# Altium PCB UV_Disinfection_Hw00.PcbDoc (continued)
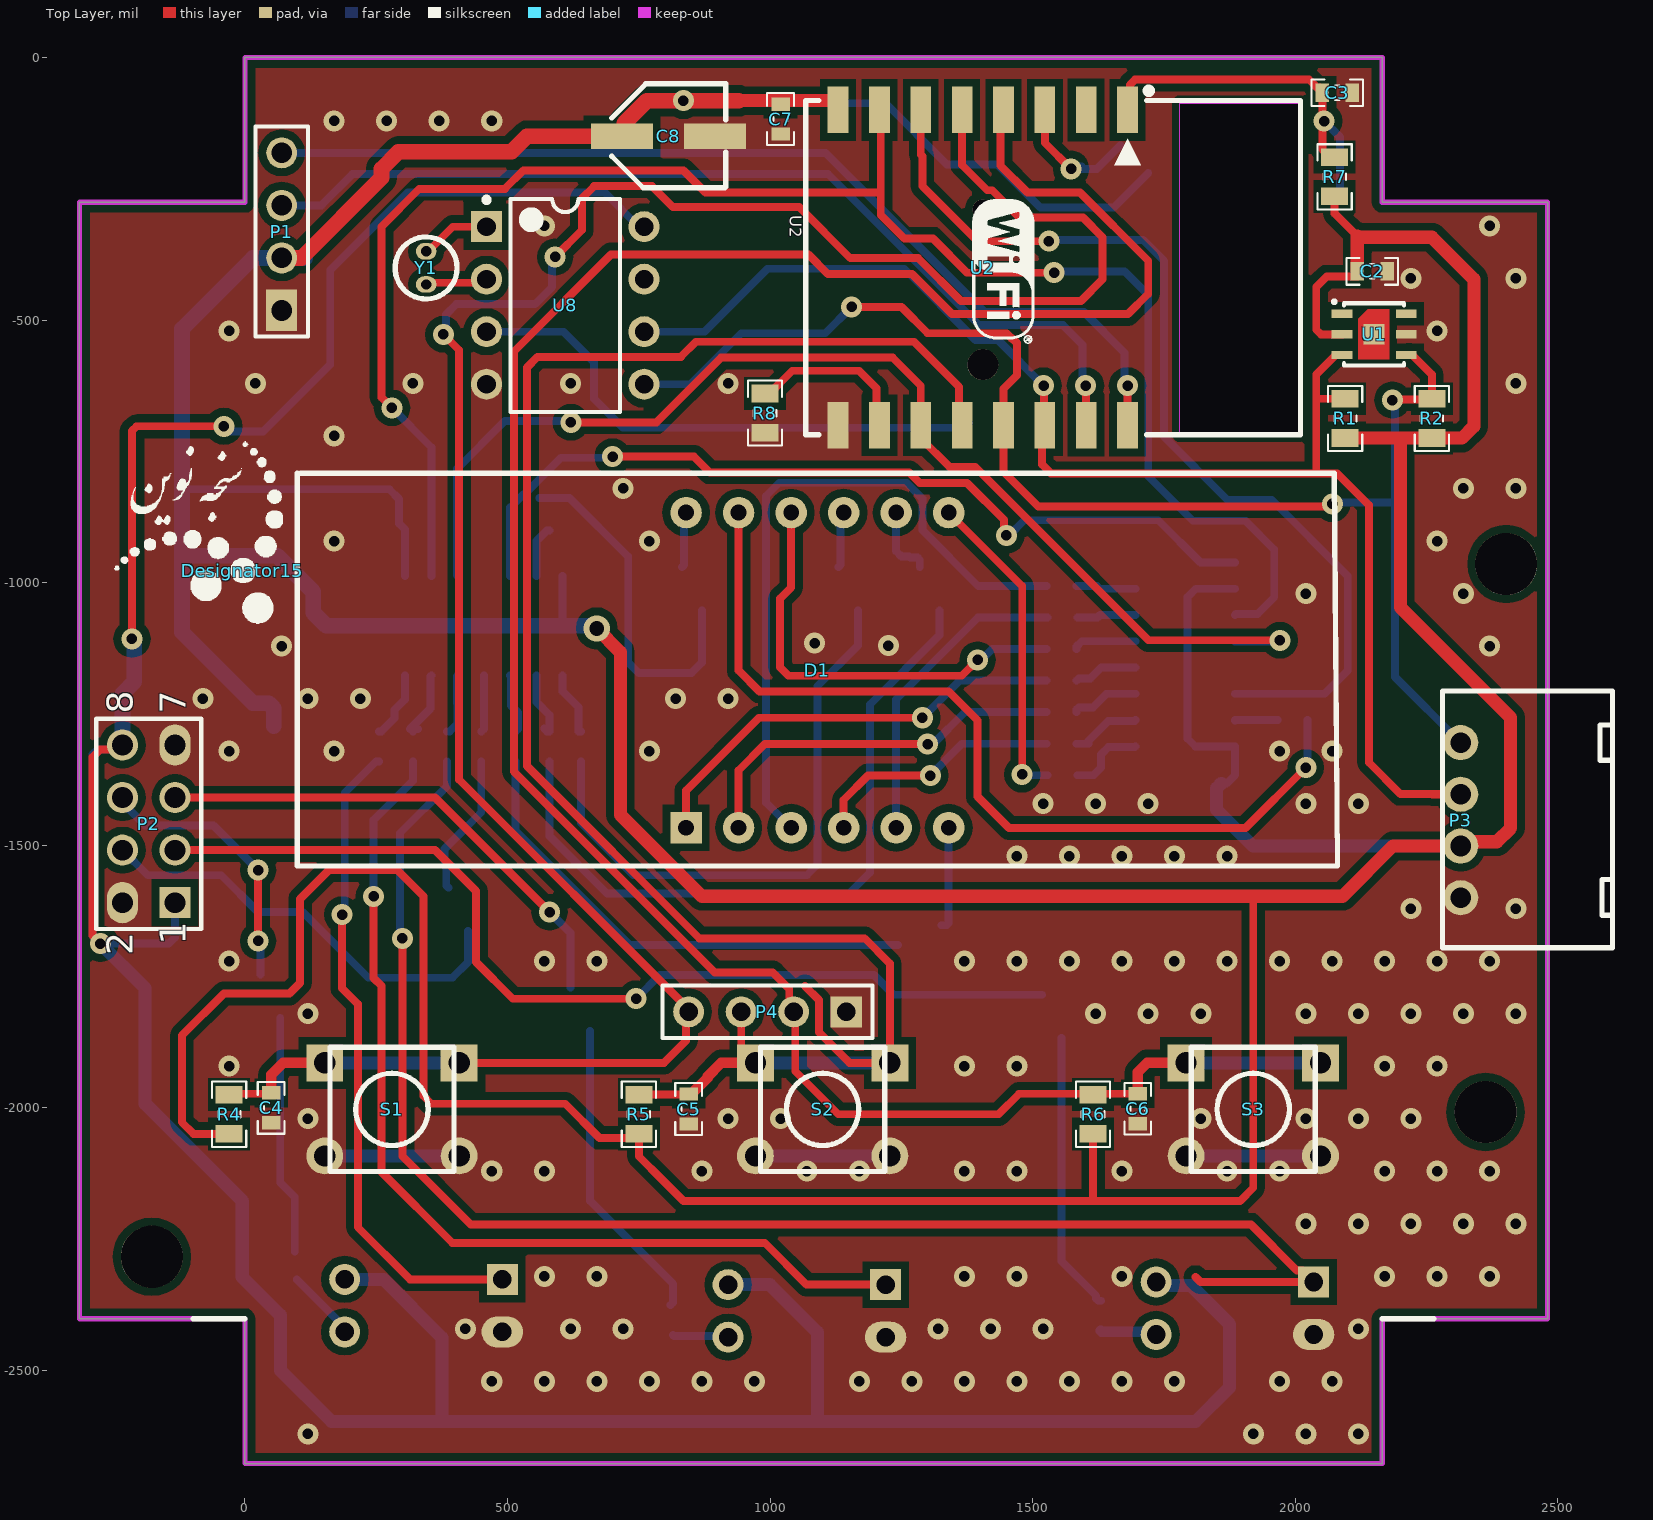
[diagram p0: Top Layer view]
## Footprints (in the part's own frame and the unit in brackets; to place one, negate y for a bottom-side part, rotate by r counter-clockwise, add the part's x,y. Pads: shape width x height; smd on the part's side, far side on the other; paste and mask are expansions set on the pad)
7SEG-4DIGIT-50X19 [mil]
  rect 60x60 hole 30: 1(-250,-300)
  round 60 hole 30: 2(-150,-300) 3(-50,-300) 4(50,-300) 5(150,-300) 6(250,-300) 7(250,300) 8(150,300) 9(50,300) 10(-50,300) 11(-150,300) 12(-250,300)
  silkscreen extent -990,-373 990,375, body extent -991,-379 989,369, height 317
751B-05_N [mm] "SOIC, 16-Leads, Body 9.9x3.9mm, Pitch 1.27mm, IPC Medium Density"
  oval 2.2x0.6 smd: 1(-2.4,4.445) 2(-2.4,3.175) 3(-2.4,1.905) 4(-2.4,0.635) 5(-2.4,-0.635) 6(-2.4,-1.905) 7(-2.4,-3.175) 8(-2.4,-4.445) 9(2.4,-4.445) 10(2.4,-3.175) 11(2.4,-1.905) 12(2.4,-0.635) 13(2.4,0.635) 14(2.4,1.905) 15(2.4,3.175) 16(2.4,4.445)
  silkscreen extent -2.52,-5 0.9,5.42, body extent -2,-5 2,5, height 1.75
BTH1220_smd [mm] "COIN CELL BATTERY HOLDER 1220 12mm CR2032"
  round 1.5 hole 1.5 unplated: 0(-3.683,0)
  round 1 hole 1 unplated: 0(3.81,0)
  rect 4.5x3 smd: 1(-7.3,0)
  rect 3x3 smd: 2(9.2,0)
  silkscreen extent -7.59,-7.5 8.54,7.5, body extent -9,-7.37 10.2,7.37, height 4.35
CAP0603 [mm] "Chip Capacitor, 2-Leads, Body 1/60x0/80mm, IPC Medium Density DESIGNER:ABBAS BASEREH"
  rect 0.65x0.9 smd: 1(-0.725,0) 2(0.725,0)
  silkscreen extent -1.25,-0.65 1.25,0.65, body extent -0.82,-0.43 0.83,0.43, height 0.4
CAP_EL_SMD_4x5.3 [mm]
  rect 3x1.25 smd: 1(-2.25,0) 2(2.25,0)
  silkscreen extent -2.74,-2.49 2.77,2.54, body extent -2.96,-2.62 3.04,2.68, height 6.42
Crystal_NC308 [mm]
  oval 0.8x1 hole 0.5: 1(0.8,0) 2(-0.8,0)
  silkscreen extent -1.5,-1.5 1.5,1.5, body extent -1.6,-1.6 1.6,1.6, height 8.2
DIP-8 [mm] "DIP; 8 Leads; Row Spacing 7.62 mm; Pitch 2.54 mm"
  rect 1.5x1.5 hole 0.9: 1(-3.81,3.81)
  round 1.5 hole 0.9: 2(-3.81,1.27) 3(-3.81,-1.27) 4(-3.81,-3.81) 5(3.81,-3.81) 6(3.81,-1.27) 7(3.81,1.27) 8(3.81,3.81)
  silkscreen extent -3.93,-5.15 2.65,5.23, body extent -3.6,-5.15 3.6,5.15, height 5.08
DIP_4 [mm]
  rect 1.5x1.5 hole 0.9: 1(0,0)
  oval 2x1.5 hole 0.9: 2(0,-2.54)
  round 1.5 hole 0.9: 3(7.62,-2.54) 4(7.62,0)
  silkscreen extent -0.13,-3.82 6.46,1.42, body extent -0.16,-4.09 7.84,1.45, height 4.31
"ESP8266 ESP_12" [mm] "ESP8266 ESP-12"
  rect 2.25x1 smd: 1(-7.625,7) 2(-7.625,5) 3(-7.625,3) 4(-7.625,1) 5(-7.625,-1) 6(-7.625,-3) 7(-7.625,-5) 8(-7.625,-7) 9(7.625,-7) 10(7.625,-5) 11(7.625,-3) 12(7.625,-1) 13(7.625,1) 14(7.625,3) 15(7.625,5) 16(7.625,7)
  silkscreen extent -8.7,-8.57 8.08,15.37, body extent -7.86,-8.52 8.16,15.51, height 3.82
HDR1X4#1 [mm] "Connector; Header; 4 Position"
  rect 2x1.5 hole 1: 1(0,0)
  round 1.5 hole 1: 2(2.54,0) 3(5.08,0) 4(7.62,0)
  silkscreen extent -1.27,-1.27 8.89,1.27
HDR1X4#2 [mm] "Connector; Header; 4 Position"
  rect 1.5x1.5 hole 0.9: 1(0,0)
  round 1.5 hole 0.9: 2(2.54,0) 3(5.08,0) 4(7.62,0)
  silkscreen extent -1.27,-1.27 8.89,1.27
HDR2X4 [mm] "Connector; Header; 4x2 Position"
  rect 1.5x1.5 hole 1: 1(0,0)
  oval 2x1.5 hole 1: 2(0,2.54) 7(7.62,0)
  round 1.5 hole 1: 3(2.54,0) 4(2.54,2.54) 5(5.08,0) 6(5.08,2.54) 8(7.62,2.54)
  silkscreen extent -1.27,-1.27 8.89,3.81
LOGO_PARS_TOP [mil]
  silkscreen extent -244,-100 77,246
RES0603 [mm] "Chip Resistor, 2-Leads, Body 1/60x0/80mm, IPC Medium Density DESIGNER:ABBAS BASEREH"
  rect 0.6x0.85 smd: 1(-0.725,0) 2(0.725,0)
  silkscreen extent -1.22,-0.63 1.22,0.63, body extent -0.82,-0.43 0.82,0.43, height 0.4
RES0805 [mm] "Chip Resistor, 2-Leads, Body 2/00x1/25mm, IPC Medium Density DESIGNER:ABBAS BASEREH"
  rect 0.85x1.3 smd: 1(-0.95,0) 2(0.95,0)
  silkscreen extent -1.58,-0.82 1.58,0.82, body extent -1.02,-0.65 1.02,0.65, height 0.5
SHT20 [mm]
  rect 0.4x1 smd: 1(1,1.55) 2(0,1.55) 3(-1,1.55) 4(-1,-1.55) 5(0,-1.55) 6(1,-1.55)
  rect 1x1 smd: 7(0,0)
  Top Layer region: 1.194,0.737 1.194,-0.762 -0.762,-0.762 -1.219,-0.305 -1.219,0.737
  silkscreen extent -1.61,-1.97 1.5,1.45, body extent -1.5,-1.47 1.5,1.55, height 1.2
SOT23_N [mm] "SOT23, 3-Leads, Body 2.9x1.3mm, Pitch 0.95mm, Lead Span 2.3mm, IPC Medium Density"
  rect 1.3x0.6 smd: 1(-1.05,0.95) 2(-1.05,-0.95) 3(1.05,0)
  silkscreen extent -1.17,-1.5 0.7,1.92, body extent -0.7,-1.5 0.7,1.5, height 1.1
SOT223_4 [mm] "SOT223, 4-Leads, Body 6.5x3.5mm, Pitch 2.30mm-Designer Abbas Basereh"
  oval 2.2x1 smd: 1(-3.2,2.3) 2(-3.2,0) 3(-3.2,-2.3)
  rect 2.2x3.2 smd: 4(3,0)
  Top Layer pour cut-out: -1.7,3.556 1.7,3.556 1.7,-3.556 -1.7,-3.556
  silkscreen extent -3.02,-3.4 1.9,3.48, body extent -3.5,-3.25 3.5,3.25, height 1.7
SW-2PIN-SMD [mm]
  rect 2.2x1.6 smd: 1(-4.609,0)
  rect 2.18x1.6 smd: 2(4.581,0)
  silkscreen extent -6.38,-1.75 2.99,1.75, body extent -4.01,-1.8 3.99,1.8, height 2.55
SW-4PIN [mm]
  rect 1.784x1.784 hole 1.03: 1(-3.25,-2.25) 1(3.25,-2.25)
  round 1.784 hole 1.03: 2(-3.25,2.25) 2(3.25,2.25)
  silkscreen extent -3,-3 3,3, body extent -3.85,-3 3.8,3, height 9.65
XH-4PIN-RA [mm]
  round 1.7 hole 1: 1(-3.75,0) 2(-1.25,0) 3(1.25,0) 4(3.75,0)
  silkscreen extent -6.17,-7.34 6.25,0.89, body extent -6.23,-7.34 6.17,0.28, height 5.75

## Part data
BT1: library part "Battry Backup", "Battry Backup", Data=16-12-2016, Designer="Abbas Basereh"
C1 C8: library part Cap2, "Capacitor", PackageDescription="Capacitor; 2 Leads", PackageReference=CAPR5-4X5, Published=23-Sep-2002, Publisher="Altium Limited"
C2 C3 C4 C5 C6 C7 C9 C10: library part Cap, "Capacitor", LatestRevisionDate=17-Jul-2002, LatestRevisionNote="Re-released for DXP Platform.", PackageDescription="Radial Cap, Thru-Hole; 2 Leads; 0.3 in Pin Spacing", PackageReference=RAD-0.3, Published=8-Jun-2000, Publisher="Altium Limited"
D1: library part 7SEG-4DIGIT-12PIN, "CC-4digit-7Seg-12PIN"
P1 P3: "Header, 4-Pin", LatestRevisionDate=17-Jul-2002, LatestRevisionNote="Re-released for DXP Platform.", Publisher="Altium Limited"
P2: "Header, 4-Pin, Dual row", LatestRevisionDate=17-Jul-2002, LatestRevisionNote="Re-released for DXP Platform.", Publisher="Altium Limited"
P4: library part "Header 4", "Header, 4-Pin", LatestRevisionDate=17-Jul-2002, LatestRevisionNote="Re-released for DXP Platform.", Publisher="Altium Limited"
Q1 Q2 Q3 Q4 Q5 Q6 Q7 Q8: "NPN Switching Transistor", ComponentLink1Description="Manufacturer Link", ComponentLink1URL=http://www.semiconductors.philips.com/, ComponentLink2Description=Datasheet, ComponentLink2URL=http://www.semiconductors.philips.com/acrobat/datasheets/MMBT3904_4.pdf, DatasheetVersion=13-May-2002, LatestRevisionDate=12-Dec-2006, LatestRevisionNote="IPC-7351 Footprint Added.", PackageDescription="3-Pin SOT-23 Package 0.95 mm Pitch, 2.3 mm Lead Span", PackageReference=SOT23, PackageVersion=May-1999, Published=17-Sep-2003, Publisher="Altium Limited"
R1 R2 R3 R4 R5 R6 R7 R8 R9 R10 R11 R12 R13 R14 R15 R16 R17 R18 R19 R20 R21 R22 R23 R24 R25 R26 R27: library part Res1, "Resistor", LatestRevisionDate=17-Jul-2002, LatestRevisionNote="Re-released for DXP Platform.", PackageDescription="Axial Device, Thru-Hole; 2 Leads; 0.3 in Pin Spacing", PackageReference=AXIAL-0.3, Published=8-Jun-2000, Publisher="Altium Limited"
S1 S2 S3 S4: "Switch", LatestRevisionDate=17-Jul-2002, LatestRevisionNote="Re-released for DXP Platform.", PackageDescription="Switch; 2 Leads", PackageReference=SPST-2, Published=24-Mar-1999, Publisher="Altium Limited"
U1: "Humidty Sensor I2C"
U2: "ESP8266 ESP-12", IC=ESP8266-EX, LatestReviewer="Zion Blue", LatestRevisionData=14-Apr-2015, LatestRevisionNote="Include 3D body and Footprint", Published=14-Apr-2015, Publisher="Cynetik Group", Vendor=Ai-thinker
U3 U4: "8-Bit 3-State Shift Register with Output Storage Register", Code_IPC=SOIC127P600-16, Code_JEDEC=MS-012-AC, ComponentAvailability="Not for New Design", ComponentLink1Description="Manufacturer Link", ComponentLink1URL=http://www.onsemi.com/, ComponentLink2Description=Datasheet, ComponentLink2URL=http://www.onsemi.com/pub/Collateral/MC74VHC595-D.PDF, DatasheetVersion=1997, LatestRevisionDate=13-Apr-2006, LatestRevisionNote="IPC-7351 Footprint Added.", PackageDescription="16-Pin Small Outline Integrated Circuit 1.27 mm Pitch", PackageReference=751B-05, PackageVersion=Oct-1999, Published=15-Apr-2002, Publisher="Altium Limited"
U5 U6 U7: "4-Pin Phototransistor Optocoupler", DatasheetVersion=Nov-2003, LatestRevisionDate=04-Mar-2005, LatestRevisionNote="Sch pins 3 & 4 Swapped.", PackageReference=DIP-4, Published=24-Mar-1999, Publisher="Altium Limited"
U8: "64 X 8 Serial Real-Time Clock", ComponentLink1Description="Manufacturer Link", ComponentLink1URL=http://www.maxim-ic.com/, ComponentLink2Description=Datasheet, ComponentLink2URL=http://pdfserv.maxim-ic.com/en/ds/DS1307.pdf, ComponentLink3Description="Discontinuation Notice", ComponentLink3URL=http://www.maxim-ic.com/qa/pdfs/non-obsolescence-letter.pdf, DatasheetVersion=10-Aug-1999, LatestRevisionDate=17-Jul-2002, LatestRevisionNote="Re-released for DXP Platform.", PackageDescription="DIP, 8-Pin, Row Spacing 7.62 mm, Pitch 2.54 mm", PackageReference=DIP8, PackageVersion=1999, Published=13-Oct-2000, Publisher="Altium Limited"
UP1: "x.x Volt, 800mA Low-Dropout Linear Regulator, 4-pin SOT-223", Data=16-12-2016, Designer="Abbas Basereh"
Y1: "Crystal Oscillator", LatestRevisionDate=17-Jul-2002, LatestRevisionNote="Re-released for DXP Platform.", PackageDescription="Crystal, Thru-Hole; 2 Leads; Body 3.1 x 8.2 mm (Dia.xH)", PackageReference=R38, Published=8-Jun-2000, Publisher="Altium Limited"

## Free pads (board coordinates)
  round 118.11 hole 118.11: 4(-177.17,-2283.46) 4(2362.2,-2007.87) 4(2401.57,-964.57)

## Via types
v1: diameter 40, hole 20, Top Layer to Bottom Layer, 171 vias
v2: diameter 50, hole 28, Top Layer to Bottom Layer, 1 vias

## Nets (pads, with @x,y where several pads share a name; then routed paths per layer and width w, separated by ;. In a path a pad name is that pad's centre, name@x,y a point inside that pad or via, vN(x,y) a via of type N, cw(c..) or ccw(c..) an arc to the next point about the centre after c; other vN are vias at no path point)
+3.3V: C1.1 C2.2 C7.2 C8.1 C9.1 C10.1 P1.2 P3.2 R1.2 R2.2 R3.2 R4.2 R5.2 R6.2 R7.2 U1.5 U2.8 U3.10 U3.16 U4.10 U4.16 UP1.2 UP1.4 | length 13930.8
  Top Layer w15: R4.2 -97.6,-2049.57 -120,-2027.17 -120,-1862.17 -40,-1782.17 85,-1782.17 105,-1762.17 105,-1602.17 160,-1547.17 290,-1547.17 340,-1597.17 340,-1977.17 355,-1992.17 610,-1992.17 675,-2057.17 742.44,-2057.17 R5.2 750.04,-2092.2 795.01,-2137.17 ; 801.91,-2144.08 795.01,-2137.17 ; R6.2 1615,-2172.17 1620,-2177.17 ; 1910,-1597.17 1920,-1607.17 1920,-2152.17 1895,-2177.17 1620,-2177.17 ; R7.2 2075,-297.17 2117.91,-340.08 ; U1.5 2048.79,-527.17 2040,-518.38 2040,-437.17 2060,-417.17 2112.83,-417.17 C2.2@2117.91,-412.09 ; 795.01,-2137.17 835,-2177.17 1620,-2177.17
  Top Layer w25: v2(670,-1087.17) 715,-1132.17 715,-1442.17 870,-1597.17 1910,-1597.17 2090,-1597.17 2185.79,-1501.38 P3.2 2323.02,-1493.36 2383.81,-1493.36 2410,-1467.17 2410,-1257.17 2200,-1047.17 2200,-729.57 2195,-724.57 ; 940,-82.17 1116.63,-82.17 1123.82,-89.35 U2.8@1123.82,-97.17 ; R1.2 2195,-724.57 ; C2.2@2117.91,-412.09 C2.2 2117.91,-340.08 2120,-342.17 2260,-342.17 2340,-422.17 2340,-702.17 2317.6,-724.57 R2.2 2195,-724.57
  Top Layer w30: P1.2 107.56,-381.57 260,-229.14 260,-212.17 292.5,-179.67 507.5,-179.67 537.17,-150 C8.1 722.17,-145.67 722.17,-125 765,-82.17 v1(835,-82.17) 940,-82.17
  Bottom Layer w15: UP1.4@-115.55,-822.17 275,-822.17 293.54,-840.71 C10.1 293.54,-887.09 305.04,-898.58 U4.10 ; 605,-1082.17 605.04,-1082.13 U4.16 ; v1(835,-82.17) 839.78,-86.95 849.78,-86.95 850,-87.17 1220,-87.17 1336.42,-203.58 1432.63,-203.58 1515,-285.95 1654.05,-285.95 R3.2 ; C9.1@1858.91,-1382.17 1869.27,-1382.17 1885.04,-1366.4 U3.16 1809.41,-1311.57 1795,-1297.17 1795,-1027.17 1810.59,-1011.57 U3.10
  Bottom Layer w25: UP1.4 UP1.4@-115.55,-822.17 ; C9.1@1858.91,-1382.17 1850,-1391.07 1850,-1432.17 1919.21,-1501.38 P3.2
  Bottom Layer w30: C1.1 55,-1239.13 45.39,-1229.53 15.28,-1229.53 -119.96,-1094.29 UP1.2 -119.96,-948.62 ; 115.04,-381.57 P1.2 15.59,-381.57 -119.96,-517.13 UP1.4 -119.96,-948.62 ; v2(670,-1087.17) 665,-1082.17 605,-1082.17 155,-1082.17 130,-1057.17 130,-1017.17 61.46,-948.62 -119.96,-948.62
+5V: P2.1 P2.8 U5.4 U6.4 U7.4 U8.8 UP1.3 | length 6873.3
  Top Layer w15: v1(-275,-1687.17) -290.14,-1672.03 -290.14,-1482.55 -290,-1482.41 -290,-1332.17 -275.44,-1317.6 -241.54,-1317.6 P2.8 ; v1(-215,-1107.17) -215,-710.95 -206.21,-702.17 v1(-40,-702.17)
  Bottom Layer w15: P2.8 -241.54,-1317.6 -280.44,-1317.6 -290.14,-1327.3 -290.14,-1672.03 v1(-275,-1687.17) -145,-1687.17 -133.11,-1675.28 P2.1 ; v1(-40,-702.17) -30,-712.17 35,-712.17 162.5,-584.67 162.5,-404.67 310,-257.17 685,-257.17 750,-322.17 U8.8
  Bottom Layer w25: v1(-275,-1687.17) -190,-1772.17 -190,-1992.17 -5,-2177.17 -5,-2322.17 67.5,-2394.67 67.5,-2499.67 165,-2597.17 375,-2597.17 ; U5.4 264.41,-2326.57 375,-2437.17 375,-2597.17 ; U6.4 999.41,-2336.57 1090,-2427.17 1090,-2597.17 ; U7.4 1741.56,-2338.09 1800.93,-2338.09 1875,-2412.17 1875,-2532.17 1810,-2597.17 1090,-2597.17 ; 375,-2597.17 1090,-2597.17
  Bottom Layer w30: P2.8 -233.11,-1211.26 -210.51,-1188.67 UP1.3@-210.51,-1107.17
BUZZER: Q8.1 R21.1 | length 272.9
  Bottom Layer w15: Q8.1 383.29,-1576.52 383.29,-1532.74 380,-1529.45 380,-1507.17 450.04,-1437.13 R21.1
BuZZER_a: P2.4 Q8.3 | length 829.8
  Bottom Layer w15: P2.4 -185.12,-1557.17 -45,-1557.17 25,-1627.17 110,-1627.17 235,-1752.17 395,-1752.17 425,-1722.17 Q8.3
DIG1: D1.12 Q1.3 | length 106.7
  Bottom Layer w15: Q1.3 836.32,-966.52 836.32,-870.3 D1.12
DIG2: D1.9 Q2.3 | length 107.8
  Bottom Layer w15: Q2.3 1134.35,-965.93 1134.35,-872.26 D1.9
DIG3: D1.8 Q3.3 | length 139
  Bottom Layer w15: D1.8 1240.04,-940.04 1250,-950 1264.8,-950 1266.95,-952.15 1280.73,-952.15 1285.04,-956.46 Q3.3
DIG4: D1.6 Q4.3 | length 198.5
  Top Layer w15: D1.6@1338.84,-1467.78 D1.6
  Bottom Layer w15: Q4.3 1335.73,-1652.17 1340.04,-1647.85 D1.6
DISP_SCK: U2.7 U3.11 U4.11 | length 3314.4
  Top Layer w15: v1(280,-667.17) 260,-647.17 260,-322.17 332.03,-250.14 495,-250.14 530.14,-215 835,-215 877.17,-257.17 1205,-257.17 ; U2.7 1208.15,-114.8 1210.59,-117.24 1210.59,-299.8 1255.59,-344.8 1310,-344.8 1375,-409.8 v1(1540.59,-409.8)
  Bottom Layer w15: v1(280,-667.17) 355.04,-742.2 U4.11 ; v1@1535,-407.17 1675,-407.17 1720,-452.17 1720,-797.17 1805,-882.17 1905,-882.17 1960,-937.17 1960,-1027.76 1927.83,-1059.93 1886.69,-1059.93 U3.11
DISP_SHIFTOUT: U2.11 U3.12 U4.12 | length 2218.9
  Top Layer w15: v1(620.59,-694.8) 783.35,-694.8 906.6,-571.56 1233.44,-571.56 1286.89,-625 U2.11 1286.89,-724.8 1341.89,-779.8 1390.59,-779.8 1720.44,-1109.66 v1(1970.74,-1109.66)
  Bottom Layer w15: U4.12 403.39,-985.95 403.39,-783.78 495,-692.17 v1@615,-692.17 ; U3.12 1885.33,-1111.87 1960.3,-1111.87 v1@1965.15,-1107.02
DISP_SI: U2.6 U3.14 | length 1880
  Top Layer w15: U2.6 1286.89,-185 1290,-188.11 1290,-245 1394.8,-349.8 v1(1530.59,-349.8)
  Bottom Layer w15: v1@1525,-347.17 1710,-347.17 1750,-387.17 1750,-721.81 1870.36,-842.17 1955,-842.17 2100,-987.17 2100,-1167.17 2055.59,-1211.58 U3.14
GND: BT1.2 C1.2 C2.1 C3.1 C4.1 C5.1 C6.1 C7.1 C8.2 C9.2 C10.2 P1.1 P2.2 P2.7 P3.1 P4.1 Q1.2 Q2.2 Q3.2 Q4.2 Q5.2 Q6.2 Q7.2 Q8.2 R8.1 S1.2 S2.2 S3.2 S4.1 U1.2 U2.9 U3.8 U3.13 U4.8 U4.13 U5.2 U6.2 U7.2 U8.4 UP1.1 | length 767.7
  Bottom Layer w25: S1.2@152.09,-2091.46 S1.2@407.99,-2091.46 ; S2.2@972.09,-2091.46 S2.2@1227.99,-2091.46 ; S3.2@1792.09,-2091.46 S3.2@2047.99,-2091.46
  other v1: 120,-2620.63 1920,-2620.63 2020,-2620.63 2120,-2620.63 470,-2520.63 570,-2520.63 670,-2520.63 770,-2520.63 870,-2520.63 970,-2520.63 1170,-2520.63 1270,-2520.63 1370,-2520.63 1470,-2520.63 1570,-2520.63 1670,-2520.63 1770,-2520.63 1970,-2520.63 2070,-2520.63 420,-2420.63 620,-2420.63 720,-2420.63 1320,-2420.63 1420,-2420.63 1520,-2420.63 2120,-2420.63 570,-2320.63 670,-2320.63 1370,-2320.63 1470,-2320.63 1670,-2320.63 2170,-2320.63 2270,-2320.63 2370,-2320.63 2020,-2220.63 2120,-2220.63 2220,-2220.63 2320,-2220.63 2420,-2220.63 470,-2120.63 570,-2120.63 870,-2120.63 1070,-2120.63 1170,-2120.63 1370,-2120.63 1470,-2120.63 1670,-2120.63 1870,-2120.63 1970,-2120.63 2170,-2120.63 2270,-2120.63 2370,-2120.63 120,-2020.63 920,-2020.63 1020,-2020.63 1820,-2020.63 2020,-2020.63 2120,-2020.63 2220,-2020.63 -30,-1920.63 1370,-1920.63 1470,-1920.63 2170,-1920.63 2270,-1920.63 120,-1820.63 1620,-1820.63 1720,-1820.63 1820,-1820.63 2020,-1820.63 2120,-1820.63 2220,-1820.63 2320,-1820.63 2420,-1820.63 -30,-1720.63 570,-1720.63 670,-1720.63 1370,-1720.63 1470,-1720.63 1570,-1720.63 1670,-1720.63 1770,-1720.63 1870,-1720.63 1970,-1720.63 2070,-1720.63 2170,-1720.63 2270,-1720.63 2370,-1720.63 2220,-1620.63 2420,-1620.63 1470,-1520.63 1570,-1520.63 1670,-1520.63 1770,-1520.63 1870,-1520.63 1520,-1420.63 1620,-1420.63 1720,-1420.63 2020,-1420.63 2120,-1420.63 -30,-1320.63 170,-1320.63 770,-1320.63 1970,-1320.63 2070,-1320.63 -80,-1220.63 120,-1220.63 220,-1220.63 820,-1220.63 920,-1220.63 70,-1120.63 2370,-1120.63 1225,-1120 1085,-1115 2020,-1020.63 2320,-1020.63 170,-920.63 770,-920.63 2270,-920.63 720,-820.63 2320,-820.63 2420,-820.63 170,-720.63 20,-620.63 320,-620.63 620,-620.63 920,-620.63 2420,-620.63 -30,-520.63 2270,-520.63 2220,-420.63 2420,-420.63 570,-320.63 2370,-320.63 170,-120.63 270,-120.63 370,-120.63 470,-120.63
KEY_DN: C6.2 P4.2 R6.1 S3.1 U2.4 | length 4630.6
  Top Layer w15: U2.4@1438.78,-97.17 1438.78,-205.94 1490,-257.17 1590,-257.17 1720,-387.17 1720,-450 1681.42,-488.58 1346.42,-488.58 1270,-412.17 1110,-412.17 1072.97,-375.14 697.03,-375.14 512.03,-560.14 512.03,-1359.55 894.64,-1742.17 1005,-1742.17 1009.99,-1747.16 1036.57,-1773.74 1036.57,-1808.74 P4.2 1048,-1820.16 1048,-1930.16 1130,-2012.17 1435,-2012.17 1474.13,-1973.03 C6.2
  Top Layer w20: C6.2 1700.04,-1932.13 1717.87,-1914.29 S3.1@1792.09,-1914.29
  Bottom Layer w25: S3.1@1792.09,-1914.29 S3.1@2047.99,-1914.29
KEY_ENTER: C5.2 P4.3 R5.1 S2.1 U2.12 | length 3614.7
  Top Layer w15: R5.1 750.61,-1974.19 844.43,-1974.19 C5.2 ; P4.3 945,-1887.2 S2.1@972.09,-1914.29 ; 1066.4,-1768.21 1092.97,-1794.78 1092.97,-1856.01 1151.25,-1914.29 1227.99,-1914.29 1227.99,-1725.16 1180,-1677.17 865,-1677.17 537.03,-1349.19 537.03,-590.14 557.17,-570 830,-570 858.83,-541.17 1273.83,-541.17 1360.04,-627.38 U2.12@1360.04,-697.56
  Top Layer w20: C5.2 849.92,-1973.62 881,-1942.54 881,-1940.26 906.96,-1914.29 S2.1@972.09,-1914.29
  Bottom Layer w25: S2.1@972.09,-1914.29 S2.1@1227.99,-1914.29
KEY_UP: C4.2 P4.4 R4.1 S1.1 U2.5 | length 4543.5
  Top Layer w15: R4.1 -28.37,-1973.17 48.44,-1973.17 C4.2 ; v1(377.94,-527.17) 407.97,-557.2 407.97,-1375.14 840,-1807.17 840,-1872.17 797.87,-1914.29 S1.1@407.99,-1914.29 ; v1(590.59,-379.8) 641.6,-328.79 641.6,-268.4 665,-245 775,-245 814.8,-284.8 1055.59,-284.8 1152.78,-381.99 1281.99,-381.99 1363.58,-463.58 1591.81,-463.58 1633.09,-422.3 1633.09,-342.3 1595.59,-304.8 1475,-304.8 1423.01,-252.81 1413.44,-252.81 1365.63,-205 U2.5
  Top Layer w20: C4.2 50.04,-1937.13 72.87,-1914.29 S1.1@152.09,-1914.29
  Bottom Layer w15: v1(377.94,-527.17) 382.72,-522.38 382.72,-489.44 402.5,-469.67 552.5,-469.67 585,-437.17 v1@585,-377.17
  Bottom Layer w25: S1.1@152.09,-1914.29 S1.1@407.99,-1914.29
NetBT1_1: BT1.1 U8.3 | length 1075.9
  Bottom Layer w15: U8.3 606.64,-522.17 664.74,-580.26 664.74,-649.74 720,-705 1370,-705 1379.22,-695.78 BT1.1@1353.44,-670
NetQ1_1: Q1.1 R17.1 | length 673.6
  Bottom Layer w15: 560.45,-839.07 579.55,-839.07 580,-838.62 618.23,-838.62 730,-950.39 730,-1152.17 750,-1172.17 850,-1172.17 870,-1152.17 Q1.1
NetQ2_1: Q2.1 R18.1 | length 1133.1
  Bottom Layer w15: R18.1 640.04,-1457.2 740,-1557.17 1070,-1557.17 1090,-1537.17 1090,-1197.17 1167.44,-1119.72 Q2.1
NetQ3_1: Q3.1 R19.1 | length 1368.3
  Bottom Layer w15: R19.1 580.04,-1482.2 690,-1592.17 1150,-1592.17 1190,-1552.17 1190,-1232.17 1322.44,-1099.72 Q3.1
NetQ4_1: Q4.1 R20.1 | length 950.7
  Bottom Layer w15: R20.1 515.04,-1472.2 732.4,-1689.57 Q4.1
NetQ5_1: Q5.1 R25.2 | length 456.5
  Bottom Layer w15: Q5.1 67.4,-2142.17 95,-2169.76 R25.2
NetQ6_1: Q6.1 R26.2 | length 589.2
  Bottom Layer w15: Q6.1 657.4,-2177.48 815,-2335.08 815,-2370.77 810.69,-2375.08 R26.2@810.08,-2375.08
NetQ7_1: Q7.1 R27.2 | length 534
  Bottom Layer w15: Q7.1 1554.8,-2291.97 1620.77,-2357.93 1620.77,-2362.85 1625.08,-2367.17 R27.2
NetR3_1: R3.1 U2.3 | length 272.1
  Top Layer w15: U2.3 1523.11,-162.32 v1(1573.09,-212.3)
  Bottom Layer w15: v1@1567.5,-209.67 1570,-207.17 1592.6,-207.17 ; v1(1573.09,-212.3) 1621.91,-212.3 R3.1
NetR8_2: R8.2 U2.10 | length 312
  Top Layer w15: R8.2 998.86,-639.76 1042.07,-596.56 1169.39,-596.56 1202.56,-629.72 U2.10@1202.56,-697.56
NetR9_2: R9.2 U3.15 | length 82.3
  Bottom Layer w15: U3.15@1885,-1262.17 U3.15@1885.04,-1262.13 ; U3.15 U3.15@1885.04,-1262.13 ; R9.2 1885.59,-1261.57 U3.15@1885.04,-1262.13
NetR10_2: R10.2 U3.1 | length 148.5
  Bottom Layer w15: R10.2 1615.59,-1366.57 1630,-1352.17 1630,-1327.17 1643.94,-1313.22 1694.41,-1313.22 U3.1
NetR11_2: R11.2 U3.2 | length 134.4
  Bottom Layer w15: R11.2 1606.21,-1306.57 1606.21,-1300.95 1643.94,-1263.22 1694.41,-1263.22 U3.2
NetR12_2: R12.2 U3.3 | length 129.9
  Bottom Layer w15: R12.2 1583.58,-1241.65 1587.89,-1237.34 1614.82,-1237.34 1640.59,-1211.58 U3.3
NetR13_2: R13.2 U3.4 | length 122.9
  Bottom Layer w15: R13.2 1583.58,-1186.48 1587.89,-1182.17 1610,-1182.17 1630.59,-1161.57 U3.4
NetR14_2: R14.2 U3.5 | length 121.6
  Bottom Layer w15: R14.2 1583.58,-1121.65 1593.66,-1111.57 U3.5
NetR15_2: R15.2 U3.6 | length 113.1
  Bottom Layer w15: R15.2 1623.29,-1066.57 1628.29,-1061.57 U3.6
NetR16_2: R16.2 U3.7 | length 114.6
  Bottom Layer w15: R16.2 1622.56,-1006.57 1627.56,-1011.57 U3.7
NetR17_2: R17.2 U4.15 | length 100.1
  Bottom Layer w15: U4.15 555.04,-920.75 575.08,-900.71 R17.2
NetR18_2: R18.2 U4.1 | length 123.8
  Bottom Layer w15: U4.1 605.04,-1207.2 635,-1237.17 635,-1282.91 635.12,-1283.03 R18.2
NetR19_2: R19.2 U4.2 | length 128.9
  Bottom Layer w15: U4.2 555.04,-1227.26 580.04,-1252.26 R19.2 575.12,-1283.03 R19.2@570.04,-1277.95
NetR20_2: R20.2 U4.3 | length 115.1
  Bottom Layer w15: U4.3 506.69,-1178.22 506.69,-1233.85 520,-1247.17 520,-1278.72 515.69,-1283.03 R20.2
NetR21_2: R21.2 U4.4 | length 108.9
  Bottom Layer w15: R21.2 450.73,-1283.03 455.04,-1278.72 U4.4
NetR22_2: R22.2 U4.5 | length 170.5
  Bottom Layer w15: R22.2 389.96,-1283.03 405.04,-1267.95 U4.5 403.39,-1178.22 403.39,-1228.78
NetR23_2: R23.2 U4.6 | length 130.1
  Bottom Layer w15: R23.2@314.27,-1278.72 353.39,-1239.6 353.39,-1178.22 U4.6 ; R23.2 324.35,-1278.72 R23.2@329.27,-1278.72
NetR24_2: R24.2 U4.7 | length 130.1
  Bottom Layer w15: R24.2 259.96,-1283.03 285,-1257.99 285,-1242.17 305,-1222.17 305,-1176.61 U4.7
NetR25_1: R25.1 U5.3 | length 137.4
  Bottom Layer w15: R25.1@98.72,-2326.99 190.04,-2418.31 U5.3
NetR26_1: R26.1 U6.3 | length 106.9
  Bottom Layer w15: R26.1 817.2,-2434.37 917.83,-2434.37 U6.3
NetR27_1: R27.1 U7.3 | length 108.1
  Bottom Layer w20: R27.1 1631.81,-2426.06 1729.53,-2426.06 U7.3
NetU3_9: U3.9 U4.14 | length 1671.9
  Top Layer w15: v1(700,-760) 855.1,-760 885.1,-790 1265,-790 1285,-810 1375,-810 1445.22,-880.22 1445.22,-905.22 v1(1450,-910)
  Bottom Layer w15: U4.14 505.04,-857.13 530,-832.17 531.99,-832.17 601.99,-762.17 v1@700,-762.17 ; v1(1450,-910) 1455,-910 1483.92,-881.08 1738.92,-881.08 1819.41,-961.58 U3.9
NetU8_1: U8.1 Y1.1 | length 134.5
  Top Layer w15: Y1.1 348.94,-369.17 395.94,-322.17 U8.1
NetU8_2: U8.2 Y1.2 | length 119.1
  Top Layer w15: Y1.2 350,-432.17 353.16,-429.01 453.16,-429.01 U8.2
RELAY1: R24.1 U5.1 | length 1247.6
  Top Layer w15: v1(185,-1632.17) 185,-1772.17 215,-1802.17 215,-2227.17 314.41,-2326.57 U5.1
  Bottom Layer w15: v1(185,-1632.17) 190,-1627.17 190,-1400.24 250.12,-1340.12 R24.1
RELAY1_a: P2.6 Q5.3 | length 521.8
  Top Layer w15: v1(25,-1682.17) v1(25,-1547.17)
  Bottom Layer w15: P2.6 -233.11,-1419.02 -189.98,-1462.15 -113.63,-1462.15 ; -113.61,-1462.17 -60,-1462.17 v1(25,-1547.17) ; v1(25,-1682.17) 30,-1687.17 Q5.3
RELAY2: R23.1 U6.1 | length 1868.2
  Top Layer w15: v1(245,-1597.17) 245,-1752.52 260,-1767.52 260,-2122.17 394.84,-2257.01 989.84,-2257.01 1069.41,-2336.57 U6.1
  Bottom Layer w15: v1(245,-1597.17) 245,-1452.17 320.04,-1377.13 R23.1
RELAY2_a: P2.5 Q6.3 | length 963.6
  Top Layer w15: P2.5 362.01,-1409.17 v1(580,-1627.17)
  Bottom Layer w15: v1(580,-1627.17) 620,-1667.17 Q6.3
RELAY3: R22.1 U7.1 | length 2840.4
  Top Layer w15: v1(300,-1677.17) 300,-2092.17 430,-2222.17 1915.59,-2222.17 2002.97,-2309.55 2013.01,-2309.55 2025,-2321.54 2025,-2331.57 1819.41,-2331.57 1810,-2322.17
  Bottom Layer w15: v1(300,-1677.17) 295,-1672.17 295,-1477.17 385.04,-1387.13 R22.1
RELAY3_a: P2.3 Q7.3 | length 1880.9
  Top Layer w15: P2.3 362.01,-1509.17 440,-1587.17 440,-1722.17 510,-1792.17 v1(745,-1792.17)
  Bottom Layer w15: v1(745,-1792.17) 790,-1747.17 1197.68,-1747.17 1235,-1784.49 Q7.3
RESET: C3.2 R7.1 S4.2 U2.1 | length 715.7
  Top Layer w15: U2.1@1675,-85.76 1685,-75.76 1685,-52.17 1695,-42.17 2026.46,-42.17 2041.24,-56.95 2046.16,-56.95 C3.2@2051.38,-62.17 ; v1(2054.89,-121.12) v1@2051.46,-121.12 ; R7.1 2066.14,-189.76 2051.46,-175.08 v1@2051.46,-121.12 ; C3.2@2051.42,-62.2 2051.46,-62.24 C3.2 v1@2051.46,-121.12 ; C3.2@2051.38,-62.17 C3.2@2051.42,-62.2
  Bottom Layer w15: v1(2054.89,-121.12) 2085.02,-151.24 S4.2
RXD0: P1.3 U2.15 | length 1835
  Top Layer w15: v1(1600.59,-624.8) 1601.85,-626.06 U2.15
  Bottom Layer w15: P1.3 145.59,-281.57 205,-222.17 1110.55,-222.17 1398.05,-509.67 1557.5,-509.67 1595,-547.17 v1@1595,-622.17
SCL: P3.3 R1.1 U1.6 U2.14 U8.6 | length 2765.1
  Top Layer w15: U2.14@1517.52,-697.56 1517.52,-774.69 1535,-792.17 2040,-792.17 ; v1(1520.59,-624.8) 1521.85,-626.06 1521.85,-698.94 U2.14 ; U1.6 2077.17,-566.54 2040,-603.7 2040,-647.17 ; R1.1 2042.6,-649.76 2040,-647.17 ; 2040,-792.17 2080,-792.17 2140,-852.17 2140,-1342.17 2200,-1402.17 2260,-1402.17 ; 2040,-792.17 2040,-647.17 ; 2260,-1402.17 2260.79,-1402.95 P3.3 2314.21,-1402.17 2260,-1402.17
  Bottom Layer w15: U8.6 875,-522.17 995,-402.17 1255.2,-402.17 1391.01,-537.97 1433.76,-537.97 v1(1520.59,-624.8)
SDA: P3.4 R2.1 U1.1 U2.13 U8.5 | length 2736.2
  Top Layer w15: v1(1155,-475) 1250,-475 1300,-525 1450,-525 1460,-535 1461.21,-535 1470,-543.79 1470,-605 1444.37,-630.63 U2.13 1444.37,-788.58 1510.59,-854.8 v1@2070.59,-854.8 ; v1(2185,-652.17) 2186.2,-650.96 2258.8,-650.96 R2.1 2260,-603.7 2222.83,-566.54 U1.1
  Bottom Layer w15: U8.5@760,-632.17 U8.5 847.83,-622.17 945,-525 1105,-525 v1(1155,-475) ; v1@2065,-847.17 2190,-847.17 ; v1(2185,-652.17) 2190,-657.17 2190,-847.17 ; P3.4 2190,-1179.53 2190,-847.17
  other v1: 2070.59,-849.8
SEG_A: D1.11 R9.1 | length 1729.5
  Top Layer w15: D1.11 940.04,-1167.2 980,-1207.17 1340,-1207.17 1395,-1262.17 1395,-1407.17 1455,-1467.17 1905,-1467.17 v1(2020,-1352.17)
  Bottom Layer w15: v1(2020,-1352.17) 2023.58,-1348.58 R9.1
SEG_B: D1.7 R10.1 | length 605
  Top Layer w15: D1.7 1480,-1006.54 v1(1480,-1365)
  Bottom Layer w15: v1(1480,-1365) 1481.57,-1366.57 R10.1
SEG_C: D1.4 R11.1 | length 483.8
  Top Layer w15: D1.4 1140.04,-1413.54 1186.42,-1367.17 v1(1305,-1367.17)
  Bottom Layer w15: v1(1305,-1367.17) 1365.59,-1306.57 R11.1
SEG_D: D1.2 R12.1 | length 741.7
  Top Layer w15: D1.2 940.04,-1357.13 990,-1307.17 v1(1300,-1307.17)
  Bottom Layer w15: v1(1300,-1307.17) 1310,-1307.17 1370.59,-1246.57 R12.1
SEG_DP: D1.3 R16.1 | length 1312.5
  Bottom Layer w15: D1.3 992.54,-1419.07 992.54,-834.63 1017.37,-809.79 1259.79,-809.79 1290,-840 1290,-900 1396.57,-1006.57 R16.1
SEG_E: D1.1 R13.1 | length 843.8
  Top Layer w15: D1.1 840.04,-1395.97 978.84,-1257.17 v1(1290,-1257.17)
  Bottom Layer w15: v1(1290,-1257.17) 1360.59,-1186.57 R13.1
SEG_F: D1.10 R14.1 | length 838.5
  Top Layer w15: D1.10 1040.04,-1009.27 1018.84,-1030.47 1018.84,-1160.98 1035.03,-1177.17 1364.9,-1177.17 1394.9,-1147.17 v1(1395,-1147.17)
  Bottom Layer w15: v1(1395,-1147.17) 1401.76,-1147.17 1422.36,-1126.57 R14.1
SEG_G: D1.5 R15.1 | length 596.8
  Bottom Layer w15: D1.5 1240.04,-1222.13 1395.59,-1066.57 R15.1
TXD0: P1.4 U2.16 | length 1897.9
  Top Layer w15: U2.16 v1(1680.59,-624.8)
  Bottom Layer w15: P1.4 1105.32,-181.57 1408.41,-484.67 1597.5,-484.67 1675,-562.17 v1@1675,-622.17
pads on no net: BT1.0 U1.3 U1.4 U1.7 U2.2 U4.9 U8.7

## Polygon pours and split planes (outlines as drawn)
GND on Bottom Layer "GND_L02_P000" (solid, remove dead copper, pour order 0): -314.96,-275.59 -314.96,-2401.57 -10.59,-2401.57 0,-2412.17 0,-2667.17 2155.35,-2667.17 2165.35,-2677.17 2165.35,-2401.57 2480.31,-2401.57 2480.31,-275.59 2165.35,-275.59 2165.35,0 0,0 0,-275.59
GND on Top Layer "GND_L01_P001" (solid, remove dead copper, pour order 1): -314.96,-275.59 -314.96,-2401.57 0,-2401.57 0,-2677.17 2165.35,-2677.17 2165.35,-2401.57 2480.31,-2401.57 2480.31,-275.59 2476.89,-272.17 2168.78,-272.17 2165.35,-275.59 2165.35,0 0,0 0,-275.59

## Keep-outs
Keep-Out Layer:
  the board outline again, w10

## Silkscreen, mask and mechanical layers (free items; w line width, h text height)
Top Overlay:
  lines w10: -98.43,-2401.57 0,-2401.57 ; 2165.35,-2401.57 2263.78,-2401.57
Mechanical 15:
  lines w10: -98.43,-2401.57 -98.43,-277.17 ; 2263.78,-2401.57 2263.78,-275.59

## Dimensions
2165.35,0 to 2074.29,-791.59 on Mechanical 15
-314.96,-275.59 to 2480.31,-275.59 on Mechanical 15
0,0 to 2165.35,0 on Mechanical 15
0,-2677.17 to 0,0 on Mechanical 15
-314.96,-2401.57 to -314.96,-275.59 on Mechanical 15

## Text inside footprints (layer, text, board x,y; h text height)
P2: Top Overlay "2" at -213.11,-1709.17 h50 r90; Top Overlay "1" at -113.11,-1689.17 h50 r90; Top Overlay "7" at -113.11,-1249.17 h50 r90; Top Overlay "8" at -213.11,-1249.17 h50 r90
U2: Mechanical 13 "ANTENNA AREA" at 1990.59,-90.04 h10 r270; Mechanical 13 "CUTOUT POLYGON" at 1970.59,-90.04 h10 r270